# KiCad board ddr4-datacenter-tester.kicad_pcb (continued)
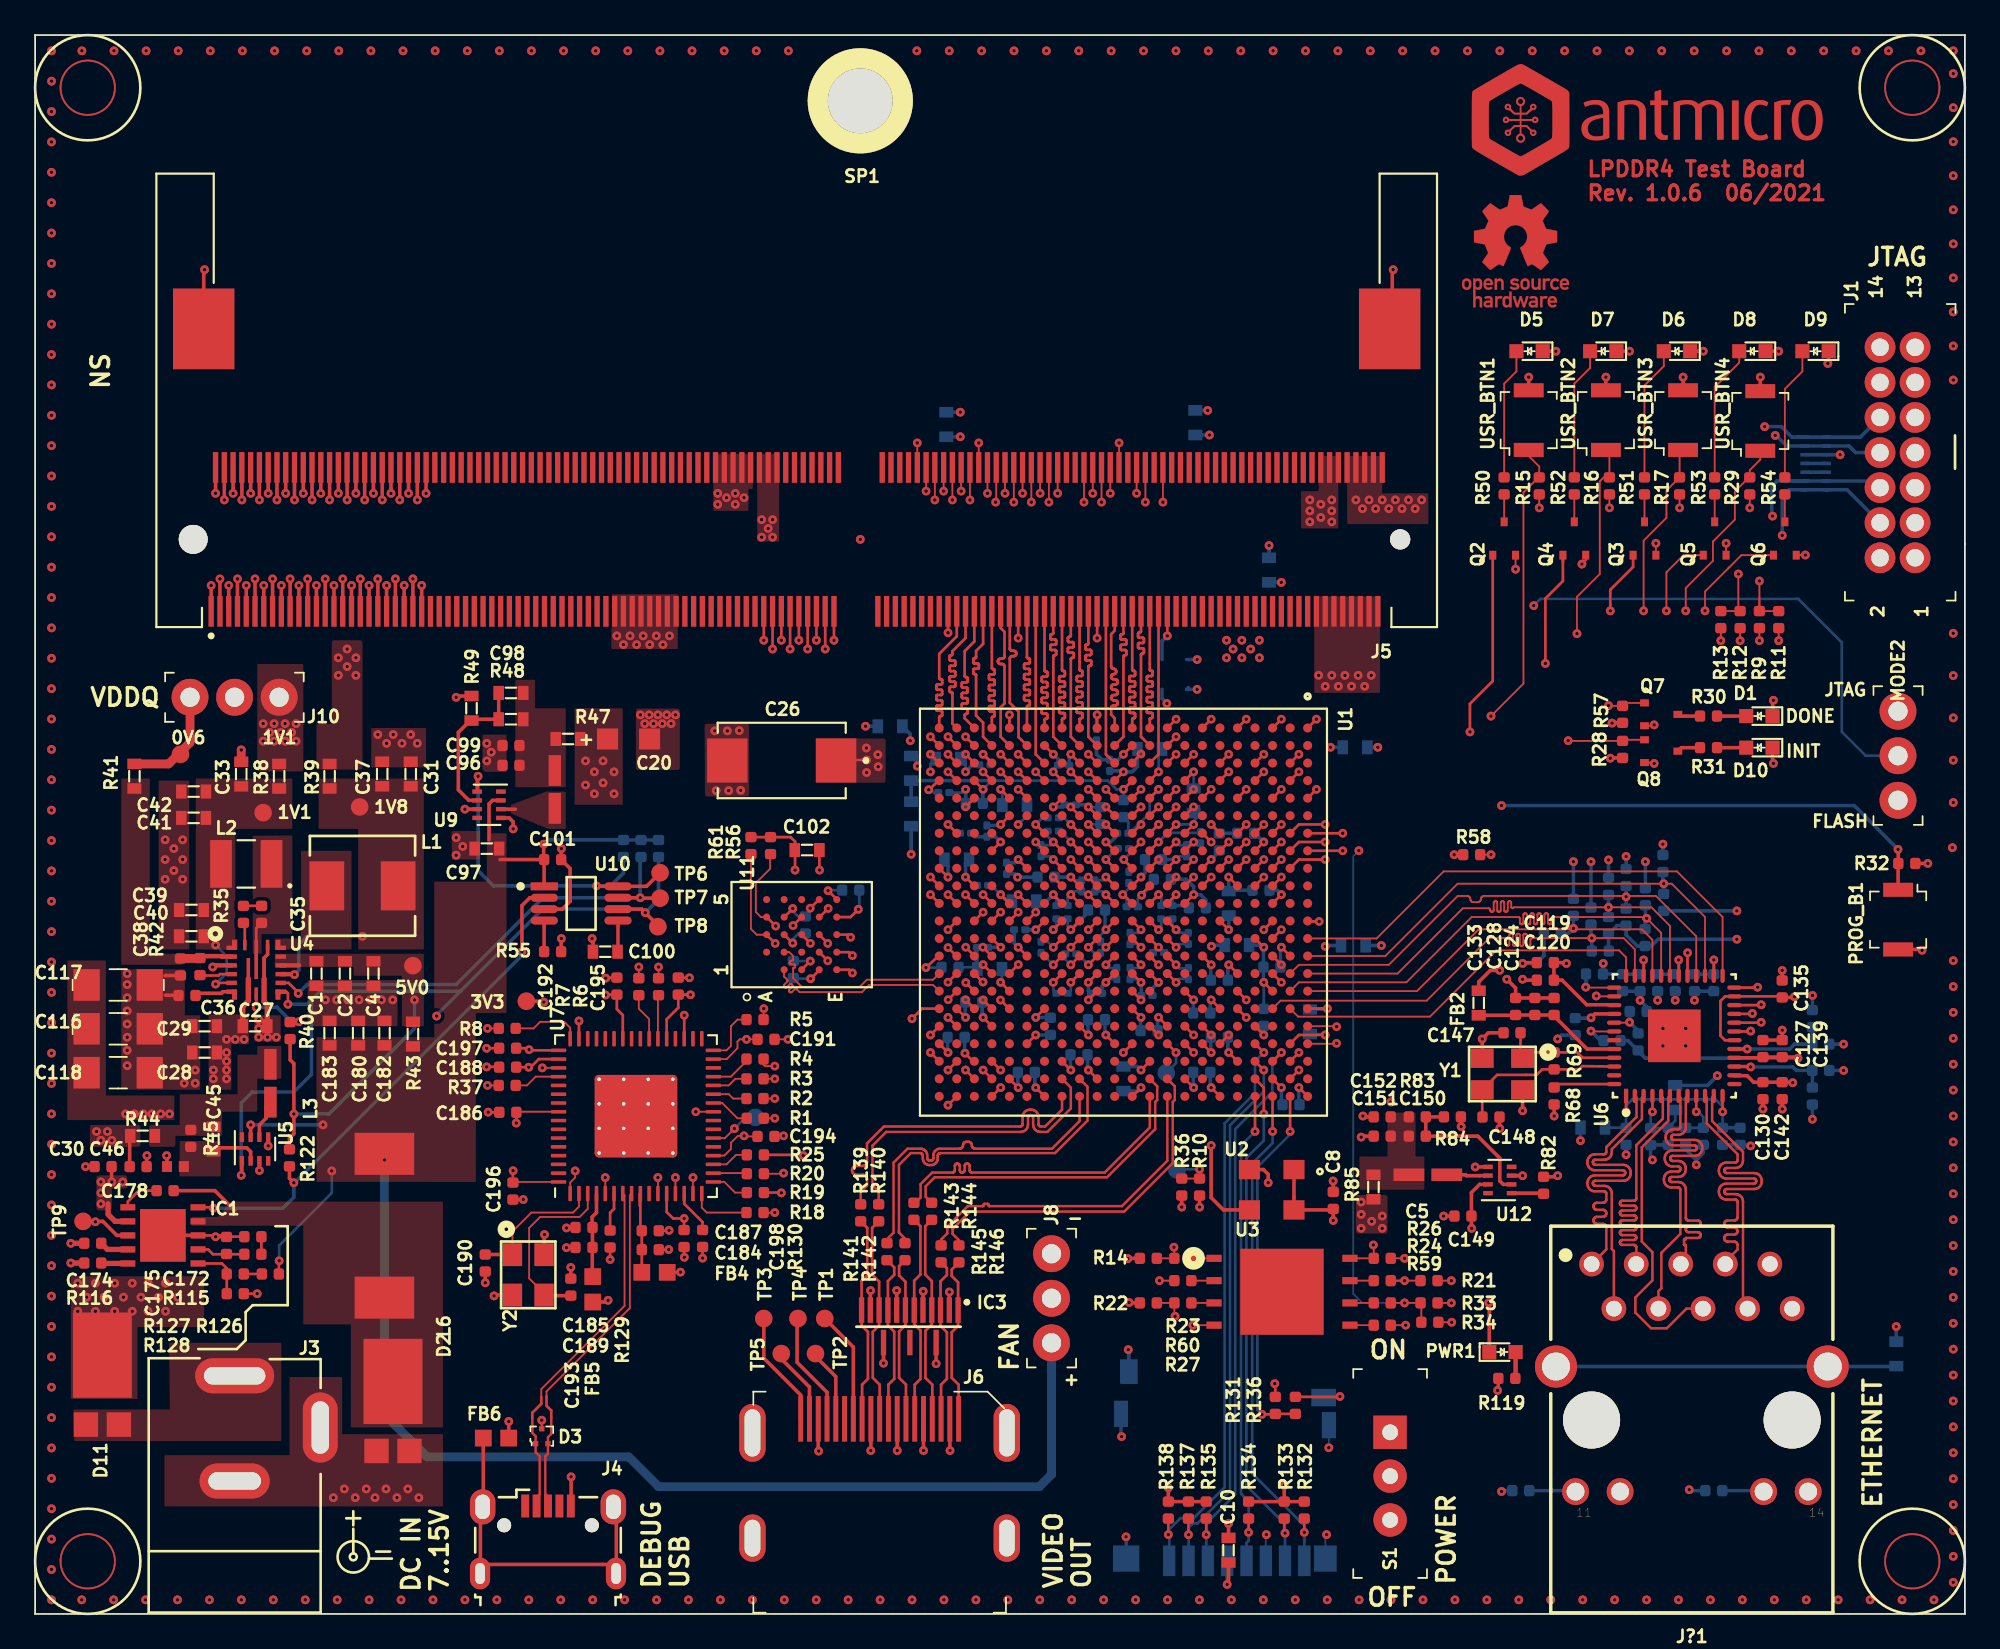
[diagram p0: board, top side]
## Nets (continued)
Net-(J5-Pad111): J5.111
Net-(J5-Pad112): J5.112
Net-(J5-Pad113): J5.113
Net-(J5-Pad114): J5.114
Net-(J5-Pad115): J5.115
Net-(J5-Pad117): J5.117
Net-(J5-Pad119): J5.119
Net-(J5-Pad121): J5.121
Net-(J5-Pad123): J5.123
Net-(J5-Pad125): J5.125
Net-(J5-Pad132): J5.132
Net-(J5-Pad134): J5.134
Net-(J5-Pad136): J5.136
Net-(J5-Pad138): J5.138
Net-(J5-Pad140): J5.140
Net-(J5-Pad142): J5.142
Net-(J5-Pad144): J5.144
Net-(J5-Pad145): J5.145
Net-(J5-Pad146): J5.146
Net-(J5-Pad147): J5.147
Net-(J5-Pad148): J5.148
Net-(J5-Pad149): J5.149
Net-(J5-Pad150): J5.150
Net-(J5-Pad151): J5.151
Net-(J5-Pad152): J5.152
Net-(J5-Pad153): J5.153
Net-(J5-Pad155): J5.155
Net-(J5-Pad157): J5.157
Net-(J5-Pad159): J5.159
Net-(J5-Pad188): J5.188
Net-(J5-Pad190): J5.190
Net-(J5-Pad202): J5.202
Net-(J5-Pad212): J5.212
Net-(J5-Pad213): J5.213
Net-(J5-Pad214): J5.214
Net-(J5-Pad215): J5.215
Net-(J5-Pad216): J5.216
Net-(J5-Pad217): J5.217
Net-(J5-Pad218): J5.218
Net-(J5-Pad219): J5.219
Net-(J5-Pad220): J5.220
Net-(J5-Pad221): J5.221
Net-(J5-Pad222): J5.222
Net-(J5-Pad223): J5.223
Net-(J5-Pad224): J5.224
Net-(J5-Pad225): J5.225
Net-(J5-Pad226): J5.226
Net-(J5-Pad227): J5.227
Net-(J5-Pad228): J5.228
Net-(J5-Pad229): J5.229
Net-(J5-Pad230): J5.230
Net-(J5-Pad231): J5.231
Net-(J5-Pad232): J5.232
Net-(J5-Pad233): J5.233
Net-(J5-Pad234): J5.234
Net-(J5-Pad235): J5.235
Net-(J5-Pad236): J5.236
Net-(J5-Pad237): J5.237
Net-(J5-Pad238): J5.238
Net-(J5-Pad239): J5.239
Net-(J5-Pad240): J5.240
Net-(J5-Pad241): J5.241
Net-(J5-Pad242): J5.242
Net-(J5-Pad243): J5.243
Net-(J5-Pad244): J5.244
Net-(J6-Pad13): J6.13 TP1.1
Net-(J6-Pad14): J6.14
Net-(J6-Pad15): J6.15 TP2.1
Net-(J6-Pad16): J6.16 TP4.1
Net-(J6-Pad18): J6.18 TP5.1
Net-(J6-Pad19): J6.19 TP3.1
Net-(J7-Pad9): J7.9 R136.2
Net-(J8-Pad2): J8.2
Net-(J?1-Pad9): J?1.9
Net-(J?1-Pad11): J?1.11 R62.1
Net-(J?1-Pad13): J?1.13 R67.1
Net-(L1-Pad1): L1.1 U4.15
Net-(L3-Pad1): L3.1 U5.6
Net-(L4-Pad1): L4.1 U9.6
Net-(L5-Pad1): L5.1 U12.6
Net-(PWR1-Pad2): PWR1.2 R119.1
Net-(Q2-Pad3): Q2.3 R50.2
Net-(Q3-Pad3): Q3.3 R51.2
Net-(Q4-Pad3): Q4.3 R52.2
Net-(Q5-Pad3): Q5.3 R53.2
Net-(Q6-Pad3): Q6.3 R54.2
Net-(Q7-Pad3): Q7.3 R30.2
Net-(Q8-Pad3): Q8.3 R31.2
Net-(R1-Pad1): R1.1 U7.26
Net-(R2-Pad1): R2.1 U7.27
Net-(R3-Pad1): R3.1 U7.28
Net-(R4-Pad1): R4.1 U7.29
Net-(R5-Pad1): R5.1 U7.32
Net-(R6-Pad1): R6.1 U7.38
Net-(R7-Pad1): R7.1 U7.39
Net-(R8-Pad1): R8.1 U7.48
Net-(R18-Pad1): R18.1 U7.16
Net-(R19-Pad1): R19.1 U7.17
Net-(R20-Pad1): R20.1 U7.18
Net-(R23-Pad1): R23.1 U3.1
Net-(R24-Pad1): R24.1 U3.6
Net-(R25-Pad1): R25.1 U7.19
Net-(R26-Pad1): R26.1 U3.7
Net-(R27-Pad1): R27.1 U3.3
Net-(R35-Pad1): R35.1 U4.18
Net-(R37-Pad1): R37.1 U7.52
Net-(R40-Pad1): R40.1 U4.8
Net-(R42-Pad1): R42.1 U4.4
Net-(R55-Pad1): R55.1 U10.4
Net-(R59-Pad1): R59.1 U3.5
Net-(R60-Pad1): R60.1 U3.2
Net-(R68-Pad2): R68.2 U6.48
Net-(R82-Pad1): R82.1 U12.1
Net-(R126-Pad2): R126.2 R127.1
Net-(R129-Pad2): R129.2 U7.6
Net-(R130-Pad2): R130.2 U7.14
Net-(S1-Pad1): S1.1
Net-(SP1-Pad1): SP1.1
Net-(U1-PadA2): U1.A2
Net-(U1-PadA3): U1.A3
Net-(U1-PadA4): U1.A4
Net-(U1-PadA6): U1.A6
Net-(U1-PadA9): U1.A9
Net-(U1-PadA10): U1.A10
Net-(U1-PadA11): U1.A11
Net-(U1-PadA20): U1.A20
Net-(U1-PadA21): U1.A21
Net-(U1-PadAA5): U1.AA5
Net-(U1-PadAA6): U1.AA6
Net-(U1-PadAA8): U1.AA8
Net-(U1-PadAA9): U1.AA9
Net-(U1-PadAA10): U1.AA10
Net-(U1-PadAA13): U1.AA13
Net-(U1-PadAA19): U1.AA19
Net-(U1-PadAA21): U1.AA21
Net-(U1-PadAB5): U1.AB5
Net-(U1-PadAB6): U1.AB6
Net-(U1-PadAB7): U1.AB7
Net-(U1-PadAB8): U1.AB8
Net-(U1-PadAB12): U1.AB12
Net-(U1-PadAB13): U1.AB13
Net-(U1-PadAB21): U1.AB21
Net-(U1-PadAB22): U1.AB22
Net-(U1-PadB1): U1.B1
Net-(U1-PadB2): U1.B2
Net-(U1-PadB5): U1.B5
Net-(U1-PadB6): U1.B6
Net-(U1-PadB10): U1.B10
Net-(U1-PadB11): U1.B11
Net-(U1-PadB12): U1.B12
Net-(U1-PadB13): U1.B13
Net-(U1-PadB18): U1.B18
Net-(U1-PadC2): U1.C2
Net-(U1-PadC3): U1.C3
Net-(U1-PadC4): U1.C4
Net-(U1-PadC6): U1.C6
Net-(U1-PadC10): U1.C10
Net-(U1-PadC13): U1.C13
Net-(U1-PadC18): U1.C18
Net-(U1-PadC19): U1.C19
Net-(U1-PadD1): U1.D1
Net-(U1-PadD2): U1.D2
Net-(U1-PadD5): U1.D5
Net-(U1-PadD6): U1.D6
Net-(U1-PadD10): U1.D10
Net-(U1-PadD11): U1.D11
Net-(U1-PadD12): U1.D12
Net-(U1-PadD14): U1.D14
Net-(U1-PadD15): U1.D15
Net-(U1-PadD16): U1.D16
Net-(U1-PadD17): U1.D17
Net-(U1-PadE2): U1.E2
Net-(U1-PadE3): U1.E3
Net-(U1-PadE4): U1.E4
Net-(U1-PadE6): U1.E6
Net-(U1-PadE11): U1.E11
Net-(U1-PadE12): U1.E12
Net-(U1-PadE13): U1.E13
Net-(U1-PadE14): U1.E14
Net-(U1-PadE18): U1.E18
Net-(U1-PadE19): U1.E19
Net-(U1-PadE21): U1.E21
Net-(U1-PadE22): U1.E22
Net-(U1-PadF1): U1.F1
Net-(U1-PadF2): U1.F2
Net-(U1-PadF5): U1.F5
Net-(U1-PadF6): U1.F6
Net-(U1-PadF10): U1.F10
Net-(U1-PadF11): U1.F11
Net-(U1-PadF13): U1.F13
Net-(U1-PadF14): U1.F14
Net-(U1-PadF15): U1.F15
Net-(U1-PadF16): U1.F16
Net-(U1-PadF18): U1.F18
Net-(U1-PadF20): U1.F20
Net-(U1-PadF21): U1.F21
Net-(U1-PadG2): U1.G2
Net-(U1-PadG3): U1.G3
Net-(U1-PadG4): U1.G4
Net-(U1-PadG6): U1.G6
Net-(U1-PadG8): U1.G8
Net-(U1-PadG10): U1.G10
Net-(U1-PadG11): U1.G11
Net-(U1-PadG12): U1.G12
Net-(U1-PadG13): U1.G13
Net-(U1-PadG15): U1.G15
Net-(U1-PadG16): U1.G16
Net-(U1-PadG17): U1.G17
Net-(U1-PadG20): U1.G20
Net-(U1-PadG21): U1.G21
Net-(U1-PadG22): U1.G22
Net-(U1-PadH1): U1.H1
Net-(U1-PadH2): U1.H2
Net-(U1-PadH8): U1.H8
Net-(U1-PadH9): U1.H9
Net-(U1-PadH10): U1.H10
Net-(U1-PadH12): U1.H12
Net-(U1-PadH13): U1.H13
Net-(U1-PadH14): U1.H14
Net-(U1-PadH15): U1.H15
Net-(U1-PadH17): U1.H17
Net-(U1-PadH20): U1.H20
Net-(U1-PadH22): U1.H22
Net-(U1-PadJ4): U1.J4
Net-(U1-PadJ16): U1.J16
Net-(U1-PadJ17): U1.J17
Net-(U1-PadJ20): U1.J20
Net-(U1-PadK16): U1.K16
Net-(U1-PadK17): U1.K17
Net-(U1-PadK19): U1.K19
Net-(U1-PadL18): U1.L18
Net-(U1-PadL20): U1.L20
Net-(U1-PadL21): U1.L21
Net-(U1-PadM16): U1.M16
Net-(U1-PadM17): U1.M17
Net-(U1-PadM18): U1.M18
Net-(U1-PadM20): U1.M20
Net-(U1-PadM21): U1.M21
Net-(U1-PadM22): U1.M22
Net-(U1-PadN17): U1.N17
Net-(U1-PadN18): U1.N18
Net-(U1-PadN19): U1.N19
Net-(U1-PadN20): U1.N20
Net-(U1-PadN22): U1.N22
Net-(U1-PadP5): U1.P5
Net-(U1-PadP16): U1.P16
Net-(U1-PadP17): U1.P17
Net-(U1-PadP19): U1.P19
Net-(U1-PadP20): U1.P20
Net-(U1-PadR3): U1.R3
Net-(U1-PadR6): U1.R6
Net-(U1-PadR7): U1.R7
Net-(U1-PadR16): U1.R16
Net-(U1-PadR17): U1.R17
Net-(U1-PadR18): U1.R18
Net-(U1-PadR19): U1.R19
Net-(U1-PadT5): U1.T5
Net-(U1-PadT6): U1.T6
Net-(U1-PadT8): U1.T8
Net-(U1-PadT9): U1.T9
Net-(U1-PadT10): U1.T10
Net-(U1-PadT11): U1.T11
Net-(U1-PadT13): U1.T13
Net-(U1-PadT14): U1.T14
Net-(U1-PadT15): U1.T15
Net-(U1-PadT16): U1.T16
Net-(U1-PadT18): U1.T18
Net-(U1-PadT19): U1.T19
Net-(U1-PadT20): U1.T20
Net-(U1-PadT21): U1.T21
Net-(U1-PadU6): U1.U6
Net-(U1-PadU7): U1.U7
Net-(U1-PadU8): U1.U8
Net-(U1-PadU10): U1.U10
Net-(U1-PadU11): U1.U11
Net-(U1-PadU13): U1.U13
Net-(U1-PadU15): U1.U15
Net-(U1-PadU16): U1.U16
Net-(U1-PadU17): U1.U17
Net-(U1-PadU18): U1.U18
Net-(U1-PadU20): U1.U20
Net-(U1-PadU21): U1.U21
Net-(U1-PadU22): U1.U22
Net-(U1-PadV7): U1.V7
Net-(U1-PadV8): U1.V8
Net-(U1-PadV9): U1.V9
Net-(U1-PadV10): U1.V10
Net-(U1-PadV13): U1.V13
Net-(U1-PadV14): U1.V14
Net-(U1-PadV18): U1.V18
Net-(U1-PadV19): U1.V19
Net-(U1-PadV20): U1.V20
Net-(U1-PadV22): U1.V22
Net-(U1-PadW5): U1.W5
Net-(U1-PadW6): U1.W6
Net-(U1-PadW7): U1.W7
Net-(U1-PadW9): U1.W9
Net-(U1-PadW10): U1.W10
Net-(U1-PadW16): U1.W16
Net-(U1-PadW19): U1.W19
Net-(U1-PadY6): U1.Y6
Net-(U1-PadY7): U1.Y7
Net-(U1-PadY8): U1.Y8
Net-(U1-PadY9): U1.Y9
Net-(U1-PadY13): U1.Y13
Net-(U1-PadY18): U1.Y18
Net-(U1-PadY19): U1.Y19
Net-(U1-PadY22): U1.Y22
Net-(U3-Pad9): U3.9
Net-(U5-Pad8): U5.8
Net-(U6-Pad13): U6.13
Net-(U6-Pad43): U6.43
Net-(U6-Pad47): U6.47
Net-(U7-Pad10): U7.10
Net-(U7-Pad21): U7.21
Net-(U7-Pad22): U7.22 U8.1
Net-(U7-Pad23): U7.23
Net-(U7-Pad24): U7.24
Net-(U7-Pad30): U7.30
Net-(U7-Pad33): U7.33
Net-(U7-Pad34): U7.34
Net-(U7-Pad36): U7.36
Net-(U7-Pad40): U7.40
Net-(U7-Pad41): U7.41
Net-(U7-Pad43): U7.43
Net-(U7-Pad44): U7.44
Net-(U7-Pad45): U7.45
Net-(U7-Pad46): U7.46
Net-(U7-Pad53): U7.53
Net-(U7-Pad54): U7.54
Net-(U7-Pad55): U7.55
Net-(U7-Pad57): U7.57
Net-(U7-Pad58): U7.58
Net-(U7-Pad59): U7.59
Net-(U7-Pad60): U7.60
Net-(U7-Pad61): U7.61
Net-(U7-Pad62): U7.62
Net-(U7-Pad63): U7.63
Net-(U9-Pad8): U9.8
Net-(U11-PadA2): U11.A2
Net-(U11-PadA5): U11.A5
Net-(U11-PadB5): U11.B5
Net-(U11-PadC2): U11.C2
Net-(U11-PadC5): U11.C5

Pads without a net: U5 4; U9 4; U12 4

## Via types
v1: diameter 3.2, hole 3, Top to Bottom, 4 vias
v2: diameter 0.5, hole 0.2, Top to GND1, 74 vias
v3: diameter 0.5, hole 0.2, Top to Bottom, 904 vias
v4: diameter 0.5, hole 0.2, Top to In2.Cu, 116 vias

## Routing (per net, layer and track width the routed paths; a pad name or vN(x,y) marks a point on that pad's centre or on a via; arc(x,y) is an arc through that point)
1V0_SYS: length 31.4
  Top w0.15: U1.R13 v3(58.04,38) ; U1.N13 v3(60.04,38) ; U1.L13 v3(63.04,38) ; U1.J9 v3(65.04,43) ; U1.J11 v3(65.04,41) ; U1.K8 v3(64.04,44) ; U1.L9 62.04,43 ; U1.M8 v3(61.04,44) ; U1.N9 v3(60.04,43) ; U1.M14 v3(61.04,37) ; U1.P14 v3(59.04,37) ; U1.N15 v3(60.04,36) ; U1.R15 v3(58.04,36) ; U1.J15 v3(65.04,36) ; U1.L15 v3(63.04,36) ; U1.J13 v3(65.04,38) ; U1.K14 v3(64.04,37) ; v3(47.4,48.67) 45.58,48.67
  Bottom w0.15: C69.1 58.72,37.32 v3(59.04,37) ; 65.84,36.2 65.24,36.2 v3(65.04,36) ; v3(65.04,38) 65.22,38.18 C59.1 ; v3(60.04,38) 60.36,37.68 C52.1 ; v3(64.04,37) 63.72,37.32 C62.1 ; 66.54,44.57 66.34,44.57 66.29,44.53 64.56,44.53 v3(64.04,44) ; v3(65.04,43) 65.22,43.18 65.74,43.18 ; v3(58.04,38) 57.72,38.32 C50.1 ; C58.1 64.83,40.8 v3(65.04,41) ; C54.1 62.86,38.18 v3(63.04,38) ; C65.1 62.36,43.3 v3(62.06,43) 62.34,42.72 C63.1 ; C70.1 58.04,35.56 v3(58.04,36) ; v3(63.04,36) 62.86,36.18 C64.1 ; C66.1 61.22,36.82 v3(61.04,37)
  Bottom w0.2: v3(65.04,43) 65.03,43 C17.1 ; v3(63.04,36) 63.06,35.98 C68.1 ; v3(60.04,36) 60.04,35.52 C77.1 ; 61.68,44.38 61.31,44 v3(61.04,44) ; 64,36.97 v3(64.04,37) ; C58.1 64.83,40.38 65.76,40.38
  vias: v3(31.38,48.62) v3(31.38,47.25) v3(31.88,48) v3(31.88,46.75) v3(32.38,48.62) v3(32.38,47.38) v3(33,48) v3(33,46.75) v3(47.38,49.36) v3(47.4,47.96) v3(48.04,48.98) v3(48.06,48.29)
1V1_SYS:
  vias: v3(13,50.75) v3(13,49.75) v3(13.38,50.25) v3(13.62,50.75) v3(13.62,49.75) v3(14,50.25) v3(14.25,50.75) v3(14.25,49.75) v3(14.62,50.25) v3(14.88,50.75) v3(14.88,49.75) v3(33.16,55.75) v3(33.54,55.25) v3(33.91,55.75) v3(34.29,55.25) v3(34.66,55.75) v3(35.04,55.25) v3(35.41,55.75) v3(35.79,55.25) v3(36.16,55.75) v3(73.16,53.5) v3(73.54,52.88) v3(73.91,53.5) v3(74.29,52.88) v3(74.66,53.5) v3(75.04,52.88) v3(75.41,53.5) v3(75.79,52.88) v3(76.16,53.5)
1V8_FT: length 11.9
  Top w0.1: 29.77,24.63 27.54,24.63 27.42,24.75 ; 27.54,32.13 C197.1
  Top w0.15: v3(37.36,35.29) 37.35,35.3 C195.1 36.66,34.56 36,33.9 U7.37 ; C197.1 28.07,32.25 v3(28.16,32.16) 28.19,32.13 29.77,32.13 ; C196.1 27.24,25.25 v3(27.25,25.26) ; 36,23.9 36,22.91 36.37,22.54 v3(37,22.54) 36.99,22.54 C198.1
1V8_SYS: length 21.7
  Top w0.15: U1.K12 v3(64.04,39) ; U1.K10 63.04,41 ; U1.M10 v3(61.04,42) ; U1.R9 v3(58.04,43) ; U1.P8 v3(59.04,44) ; U1.P10 v3(59.04,42) ; U1.R11 v3(58.04,41) ; U1.P7 v3(59.04,45) ; U1.P12 v3(59.04,39)
  Bottom w0.15: 58.36,44.7 59.04,44.02 v3(59.04,44) ; v3(59.04,39) 58.86,39.18 58.86,39.65 ; v3(58.04,41) 58.22,40.82 C9.1 ; C47.1 57.86,43.18 v3(58.04,43) ; 58.36,45.48 58.56,45.48 v3(59.04,45) ; C48.1 64.19,39.16 v3(64.04,39) ; C55.1 60.86,41.82 v3(61.04,42) ; v3(63.07,40.97) 62.86,40.75 C56.1 ; v3(59.04,42) 59.22,41.82 C51.1
  Bottom w0.2: 65.64,54.4 v3(66.24,54.4) ; C110.1 v3(73.84,49.4) ; v3(63.07,40.97) 63.76,41.66 C16.1 ; C22.1 57.66,40.62 v3(58.04,41) ; v3(67.05,38.06) 67.12,38.12 C25.1 ; v3(73.54,38.05) 73.59,38.1 C113.1 ; v3(59.04,39) 60.01,39.98 C7.1 ; C19.1 59.03,42 v3(59.04,42) ; C111.1 v3(71.04,58.8)
  vias: v3(17.29,54.5) v3(17.29,53.5) v3(17.79,55) v3(17.79,54) v3(18.29,54.5) v3(18.29,53.5) v3(38.91,63.88) v3(38.91,63.25) v3(39.41,63.63) v3(39.91,63.88) v3(39.91,63.25) v3(40.41,63.63) v3(67.91,55.5) v3(67.91,54.5) v3(68.29,55) v3(68.79,55.5) v3(68.79,54.5) v3(69.29,55) v3(69.79,55.5) v3(69.79,54.5) v3(75.29,63.5) v3(75.66,63) v3(76.04,63.5) v3(76.41,63) v3(76.79,63.5) v3(77.16,63) v3(77.54,63.5) v3(77.91,63) v3(78.29,63.5) v3(78.66,63) v3(79.04,63.5)
3V3_SYS: length 155.2
  Top w0.1: 27.42,28.64 27.43,28.63 29.77,28.63 ; R15.1 v3(85.74,63.05) ; R16.1 v3(89.74,63.05) ; R17.1 v3(93.74,63.05) ; R29.1 v3(97.74,63.05) ; R9.2 v3(98.29,55.48) ; 38.6,31.63 39.43,31.63 40.04,32.25 40.04,32.63 40.16,32.75 v3(40.55,32.75) C191.1 ; R21.1 v3(80.73,19) ; R33.1 v3(80.73,17.73) ; R58.1 v3(82.99,43.28) ; 38.6,26.13 39.29,26.13 39.66,26.5 39.66,26.86 40.06,27.25 v3(40.41,27.25) 40.45,27.22 C194.1 ; v3(76.28,21.03) 76.3,21.01 C5.1 U3.8 ; R12.2 v3(97.19,55.48)
  Top w0.15: U1.N21 v3(60.04,31) ; U1.AA17 v3(53.04,34) ; U1.T22 v3(57.04,30) ; U1.F22 v3(67.04,30) ; U1.C21 v3(71.04,30) ; U1.B14 v3(71.04,38) ; U1.P18 v3(60.04,33) ; U1.V16 v3(55.04,36) ; U1.U19 v3(57.04,33) ; 53.5,31.46 v3(53,31.96) ; U1.G19 v3(67.04,32) ; U1.L17 v3(63.04,34) ; U1.K20 v3(63.04,31) ; U1.J7 v3(65.04,45) ; U1.N7 v3(60.04,45) ; U1.D8 v3(70.04,44) ; U1.G9 v3(67.04,43) ; U1.F12 v3(68.04,39) ; U1.E15 v3(68.04,37) ; U1.H16 v3(66.04,35) ; U1.D18 v3(70.04,33) ; 44.72,36.72 44.22,36.22 ; 42.68,39.7 43.18,40.2 ; U1.C11 v3(71.04,41) ; U6.34 v3(91.69,37.28) ; 41.01,44.28 43.06,44.28 43.32,44.03 v3(43.32,42.4) ; FB4.1 36.78,19.47 v3(36.79,19.48) ; R131.1 70.69,13.1 v3(70.66,13.13) ; R130.1 v3(38.05,20.28) ; 29.77,31.63 28.71,31.63 28.25,31.16 v3(28.14,31.16) 28.13,31.17 C188.1 ; v3(27.43,27.98) 27.43,27.99 C186.1 ; v3(46.92,40.17) 46.48,39.72 U11.E4 ; v3(32.52,35.28) 32.54,35.3 C192.1 33.16,34.48 33.5,34.14 U7.42 ; U1.AB14 51.49,37.5 v3(50.78,36.84) ; U1.A17 v3(73.66,34.5) U1.A17
  Top w0.2: 48.36,15.5 48.36,14.29 ; D8.1 v3(99.39,71.98) ; D6.1 v3(95.09,71.98) ; D7.1 v3(90.89,71.98) ; R32.1 v3(107.89,42.78) ; v3(99.09,48.48) 99.04,48.53 D10.1 ; C10.1 68.03,1.76 v3(67.95,1.68) ; v3(99.09,52.08) 99.04,52.03 D1.1 ; 71.2,6.4 69.17,6.4 ; 71.2,6.4 v3(71.2,7.31) ; 71.2,6.4 72.34,6.4 ; R10.1 v3(66.38,23.19) ; R44.1 5.39,27.22 C46.1 ; R57.1 89.9,50.79 v3(89.89,50.78) ; v3(62.29,20.25) 62.31,20.27 R14.2 ; v3(51.36,14.27) 51.36,14.27 IC3.15 ; v3(32.66,17.88) 32.56,17.78 31.91,17.78 ; U2.1 U2.4 73.94,23.03 C8.1 v3(74,22.43) ; D5.1 v3(86.69,71.98) ; R22.1 62.39,17.73 v3(62.36,17.75) ; v3(88.69,33.98) 88.91,34.2 U6.40 ; 3V3.1 28.95,34.93 v3(29,34.88) ; D9.1 102.24,71.33 v3(102.19,71.28) ; PWR1.1 82.89,17.72 v3(82.86,17.74) ; R28.1 89.8,48.79 v3(89.79,48.78) ; v3(64.6,7.19) 64.6,6.4 66.76,6.4 ; U6.16 98.45,31.7 C127.1 C139.1 100.43,31.74 v3(100.49,31.68)
  In5.Cu w0.2: 64.29,44.5 U1.J7 v3(65.04,45) ; 64.29,44.5 63.04,44.5 62.54,45 v3(60.04,45) ; 64.29,44.5 68.91,44.5 69.41,44 v3(70.04,44)
  Bottom w0.15: v3(50.78,36.84) 51.67,36.84 ; C82.1 v3(70.04,33) ; C103.1 46.98,40.22 v3(46.92,40.17) ; 43.2,40.19 v3(43.18,40.21) 43.18,40.07 43.49,39.76 C105.1 ; v3(44.2,36.21) 43.31,36.21 ; v3(65.04,45) 65.84,45 66.34,45.5 66.34,46.05 ; 44.2,36.2 44.2,36.2 ; 60.84,45.02 60.05,45.02 v3(60.04,45) ; C6.1 73.61,34.45 v3(73.66,34.5) ; v3(55.04,36) 55.11,36.08 C18.1
  Bottom w0.2: v3(53,31.96) 52.99,31.98 C92.1 ; v3(94.29,7.08) 94.34,7.03 R67.2 ; v3(60.04,33) 60.01,33.02 C87.1 ; C81.1 70.99,37.95 v3(71.04,38) ; v3(70.04,44) 69.54,44.5 C79.1 ; R81.2 v3(103.09,32.48) ; R75.2 v3(88.69,42.88) ; v3(71.04,30) 71.04,28.98 71.09,28.93 ; v3(53.04,34) 53.01,34.02 C90.1 ; R79.2 90.8,32.68 91.59,31.89 91.59,31.88 91.79,31.68 v3(100.49,31.68) ; v3(63.04,31) 62.84,31.2 C15.1 ; R62.2 83.63,7.03 v3(83.59,6.98) ; FB1.1 v3(88.09,26.98) ; v3(67.04,32) 67.01,32.02 C85.1 ; C136.1 88.67,33.96 v3(88.69,33.98) ; v3(63.04,34) 63.01,33.98 C86.1 ; v3(66.04,35) 66.01,34.98 C84.1 ; R73.2 v3(92.79,43.88) ; R70.2 v3(91.79,42.88) ; J7.4 v3(67.95,1.68) ; v3(68.04,39) C3.1 ; v3(57.04,33) 57.86,33 C88.1 ; C80.1 70.79,41.25 v3(71.04,41) ; C83.1 67.99,36.95 v3(68.04,37) ; v3(57.04,30) 56.99,30.05 C93.1 ; v3(67.04,43) 67.5,43.47 C78.1 ; C89.1 59.99,31.05 v3(60.04,31) ; v3(91.69,37.28) 91.69,36.66 C131.1 C123.1 90.47,36.48 R78.2 89.37,37.06 v3(89.39,37.08) ; R80.2 v3(103.09,30.98) ; v3(67.04,30) 66.99,30.05 C94.1 ; R71.2 v3(89.69,42.98) ; R72.2 v3(90.69,43.18) ; R74.2 v3(87.69,42.88)
  vias: v3(3.5,27.5) v3(3.75,27) v3(4.12,27.5) v3(4.38,27) v3(48.36,14.29)
/Ethernet/AVDDH: length 12.3
  Top w0.15: U6.12 v3(96.19,28.63) ; U6.1 v3(90.69,28.63)
  Bottom w0.15: C137.1 v3(96.19,28.63) 96.19,28.93 95.79,29.33 91.03,29.33 90.69,28.98 v3(90.69,28.63) C132.1 90.67,27.73 FB1.2
  Bottom w0.2: C137.1 C140.1
/Ethernet/AVDDL: length 8.1
  Top w0.15: U6.9 v3(94.69,28.63) ; U6.4 v3(92.19,28.63)
  Bottom w0.15: FB3.1 93.49,28.11 C129.1 ; v3(94.69,28.63) 94.79,28.63 95.09,28.33 C125.1 C134.1 C129.1 ; C129.1 93.07,27.7 C121.1 92.09,28.53 v3(92.19,28.63)
/Ethernet/AVDDL_PLL: length 8.6
  Top w0.2: U6.44 88.46,32.2 86.59,34.08 C124.1 C128.1 C133.1 84.37,34.13 FB2.1
/Supply/VCC_AUX_EN: length 27.8
  Top w0.15: U4.11 14.45,35.97 15,35.42 v3(15,35.38)
  Top w0.2: TP7.1 34.52,40.8 v3(34.49,40.83) U10.7
  Bottom w0.2: v3(15,35.38) 15.5,35.88 24,35.88 28.95,40.83 v3(34.49,40.83) 34.49,43.05 34.59,43.14
/Supply/VCC_INT_EN: length 20.1
  Top w0.2: TP6.1 34.85,41.47 U10.8 32.03,41.47 v3(32,41.5) ; v3(25.25,47.75) 25.2,47.7 U9.1
  Bottom w0.2: R86.2 33.54,42.23 32.81,41.5 v3(32,41.5) 26.12,41.5 25.25,42.38 v3(25.25,47.75)
/Supply/VCC_IO_EN: length 137.1
  Top w0.15: U4.10 14.32,35.47 14.41,35.38 v3(14.41,34.75)
  Top w0.2: U10.6 34.57,40.17 v3(34.78,39.97) 35.5,39.25 TP8.1 ; U4.10 13.84,35.31 U4.10 ; v3(11.75,25) 11.79,25.04 U5.1 ; v3(86.79,24.98) 86.73,24.92 R82.2
  In2.Cu w0.2: v3(86.79,24.98) 83.69,21.88 83.69,16.58 81.59,14.48 64.39,14.48 57.41,7.5 41.06,7.5 22.89,25.68 v3(22.89,34.08)
  Bottom w0.2: 15.75,35 15.5,34.75 14.41,34.75 v3(14.41,34.75) ; 15.75,35 16.25,35.5 24.25,35.5 ; 15.75,35 15.75,30.75 14.75,29.75 12.38,29.75 11.75,29.12 v3(11.75,25) ; R88.2 35.54,40.73 v3(34.78,39.97) 34.57,40.18 28.93,40.18 24.25,35.5 ; 24.25,35.5 22.89,34.14 v3(22.89,34.08)
GND: length 403.9
  Top w0.1: 53.79,65.4 v2(53.79,66.75) ; 50.29,65.4 v2(50.29,66.75) ; 61.79,65.4 v2(61.79,66.75) ; 29.67,31.13 v3(28.91,31.13) ; Q2.2 v3(84.39,59.55) ; v3(30.79,25.25) 30.79,24.88 30.5,24.59 U7.1 ; C5.2 v3(78.06,20.27) ; 64.29,65.23 v4(64.29,63.38) ; Q3.2 v3(92.39,61.03) ; Q7.2 92.24,50.63 v3(92.29,50.68) ; v3(92.29,48.48) 92.24,48.53 Q8.2 ; U7.5 v3(32.5,24.88) ; v3(36.5,24.87) U7.13 ; v2(42.66,27.25) 42.63,27.22 C194.2 ; R34.2 v3(80.75,16.62) ; 38.6,28.63 v2(37.66,28.63) ; U7.11 v3(35.5,24.88) ; 57.79,65.23 v4(57.79,63.38) ; U3.4 v3(65.99,16.46) ; R11.2 v3(99.39,55.48) ; 88.39,60.41 88.42,60.38 88.42,60.09 v3(88.17,59.84) ; U7.15 v3(37.5,24.88) ; Q5.2 v3(96.39,61.03) ; Q6.2 100.9,60.35 v3(100.9,60.36) ; R13.2 v3(96.09,55.48) ; C191.2 v2(42.91,32.75)
  Top w0.13: D3.3 v3(28.88,11.04)
  Top w0.15: 56.04,57.1 v2(56.04,55.63) ; U1.Y5 v2(53.04,46) ; U1.W8 v3(55.04,44) ; 26.45,31.19 25.74,31.19 ; 60.54,57.1 v2(60.54,55.63) ; U1.AA22 v3(52.04,29) ; U1.V21 v3(56.04,30) ; U1.L22 v3(63.04,30) ; U1.AB19 v3(52.04,32) ; U1.AB9 v3(52.04,42) ; U1.AA12 v2(52.04,39) ; U1.H21 v3(66.04,30) ; U1.A22 v3(72.04,30) ; U1.AA2 v2(52.04,50) ; U1.J3 v2(65.04,49) ; U1.J2 v2(65.04,50) ; U1.J1 v2(65.04,51) ; U1.G1 v2(67.04,51) ; U1.E1 v2(69.04,51) ; U1.C1 v2(71.04,51) ; U1.A1 v2(73.04,51) ; U1.B3 v2(72.04,49) ; U1.B4 v2(72.04,48) ; U1.A5 v2(73.04,47) ; U1.M12 v3(61.04,39) ; U1.K11 v3(64.04,41) ; U1.L11 62.04,41 ; U1.L12 v3(63.04,39) ; U1.M11 v3(61.04,41) ; U1.C7 v2(71.04,45) ; U1.C5 v2(71.04,47) ; U1.D7 v2(70.04,45) ; U1.E7 v2(69.04,45) ; U1.E5 v2(69.04,47) ; U1.E10 v3(68.04,42) ; U1.F7 v3(67.04,45) ; U1.G5 v2(67.04,47) ; U1.H5 v2(66.04,47) ; U1.H11 v3(66.04,41) ; U1.H3 v2(66.04,49) ; U1.H4 v3(66.04,48) ; U1.J8 v3(65.04,44) ; U1.J10 v2(65.04,42) ; U1.K9 v2(64.04,43) ; U1.K5 v3(64.04,47) ; U1.L8 v2(63.04,44) ; U1.L10 v3(63.04,42) ; U1.T7 v3(57.04,45) ; U1.P3 v3(59.04,49) ; U1.V11 v3(55.04,41) ; U1.P11 v3(59.04,41) ; U1.P9 v2(59.04,43) ; U1.M9 v3(61.04,43) ; U1.R10 v2(58.04,42) ; U1.R8 v3(58.04,44) ; U1.N11 v2(60.04,41) ; U1.N8 v2(60.04,44) ; U1.N6 v3(60.04,46) ; U1.N10 v2(60.04,42) ; U1.U4 v2(56.04,48) ; U1.N16 v2(60.04,35) ; U1.N12 v3(60.04,39) ; U1.P15 v3(59.04,36) ; U1.R14 v3(58.04,37) ; U1.R12 v3(58.04,39) ; U1.R20 v3(59.04,31) ; U1.N14 v3(60.04,37) ; U1.M13 v2(61.04,38) ; U1.M15 v3(61.04,36) ; U1.P13 v2(59.04,38) ; U1.M19 v3(61.04,33) ; U1.U14 v3(56.04,38) ; U1.W18 v3(54.04,34) ; U1.J12 v3(65.04,39) ; U1.J14 v3(65.04,37) ; U1.L14 v3(63.04,37) ; U1.J18 v3(64.04,34) ; U1.E20 v3(68.04,32) ; U1.K15 v3(64.04,36) ; U1.G14 v3(67.04,37) ; U1.K13 v2(64.04,38) ; U1.F17 v3(67.04,35) ; U1.C16 v3(70.04,36) ; U1.F3 v2(68.04,49) ; U1.F4 v3(68.04,48) ; U1.D3 v2(70.04,49) ; U1.D4 v2(70.04,48) ; U1.B9 72.04,43 v2(73.54,43) ; v2(73.54,45) 72.04,45 U1.B7 ; U1.A7 v2(74.54,44.5) ; v3(73.54,33) 72.04,33 U1.B19 ; 42.68,38.74 43.18,38.24 ; 54.03,36.01 53.53,36.51 ; 43.67,36.7 44.17,37.2 ; 45.71,40.72 45.21,41.22 ; U1.D13 v3(70.04,38) ; U1.L2 v3(62.04,49) ; C175.2 10.3,21.49 v3(10.29,21.5) ; C175.2 10.82,21.58 IC1.8 ; C175.2 10.93,21.5 C172.2 ; R128.2 v3(12.66,18.25) ; v3(32.53,36.24) 32.56,36.27 C192.2 ; v3(94.19,37.69) 94.19,37.68 U6.29 ; U1.T17 v3(57.04,34) ; v2(73.19,39.47) 72.57,39.47 U1.A12 ; v3(37.3,36.26) 37.29,36.27 C195.2 ; v3(25.83,28.6) 25.84,28.59 C186.2 ; C198.2 36.99,20.35 v3(37.01,20.33) ; U7.35 v3(37,34.13) ; C197.2 25.74,32.25 v3(25.74,32.24) ; v2(55.54,51.25) U1.V1 ; R129.1 v3(32.78,20.2) ; J5.211 v3(64.54,55.75) ; v3(44.71,42.4) 44.7,42.41 44.7,43.54 ; C184.2 36.11,20.76 v3(36.12,20.77) ; v3(36.14,21.86) 36.12,21.84 C187.2 ; C196.2 27.82,23.62 v3(27.83,23.62) ; 52.04,57.1 v2(52.04,55.93) ; U7.47 v3(31,33.8)
  Top w0.2: J5.49 v3(22.04,58.63) ; J5.45 v3(21.04,58.63) ; J5.41 v3(20.04,58.63) ; J5.37 v3(19.04,58.63) ; J5.33 v3(18.04,58.63) ; J5.29 v2(17.04,58.63) ; J5.25 v2(16.04,58.63) ; J5.21 v2(15.04,58.63) ; J5.17 v2(14.04,58.63) ; J5.13 v2(13.04,58.63) ; J5.9 v2(12.04,58.63) ; J5.5 v2(11.04,58.63) ; J5.47 v3(21.54,59) ; J5.43 v3(20.54,59) ; J5.39 v3(19.54,59) ; J5.35 v3(18.54,59) ; J5.31 v2(17.54,59) ; J5.27 v2(16.54,59) ; J5.23 v2(15.54,59) ; J5.19 v2(14.54,59) ; J5.15 v2(13.54,59) ; J5.11 v2(12.54,59) ; J5.7 v2(11.54,59) ; J5.34 v3(18.29,63.88) ; J5.46 v3(21.29,63.88) ; J5.22 v3(15.29,63.88) ; J5.2 v3(10.29,63.88) ; J5.24 v3(15.79,63.5) ; J5.10 v3(12.29,63.88) ; J5.18 v3(14.29,63.88) ; J5.14 v3(13.29,63.88) ; J5.32 v3(17.79,63.5) ; J5.48 v3(21.79,63.5) ; J5.38 v3(19.29,63.88) ; J5.50 v3(22.29,63.88) ; J5.42 v3(20.29,63.88) ; J5.30 v3(17.29,63.88) ; J5.6 v3(11.29,63.88) ; J5.26 v3(16.29,63.88) ; J5.44 v3(20.79,63.5) ; J5.36 v3(18.79,63.5) ; J5.40 v3(19.79,63.5) ; J5.20 v3(14.79,63.5) ; J5.28 v3(16.79,63.5) ; J5.16 v3(13.79,63.5) ; J5.8 v3(11.79,63.5) ; J5.4 v3(10.79,63.5) ; J5.12 v3(12.79,63.5) ; 77.36,73.25 77.36,76.58 ; 8.04,35.27 7.43,35.27 ; USR_BTN2.2 v3(89.54,70.5) ; USR_BTN3.2 v3(93.94,70.5) ; 98.34,69.75 v3(98.34,70.5) ; USR_BTN1.2 v3(85.14,70.5) ; v3(30.29,20.88) 30.3,20.89 C189.2 ; v3(84.79,24.98) 84.78,24.98 U12.3 ; v3(50.64,9.31) 50.64,9.31 J6.5 ; v3(83.49,27.68) 83.47,27.69 C148.2 ; C152.2 75.73,28.33 v3(75.69,28.38) ; Y2.4 29.01,21.6 v3(29.04,21.63) ; v3(73.99,24.68) 74,24.67 C8.2 ; 7.41,36.38 7.43,36.39 8.04,36.39 ; C130.2 v3(98.49,28.78) ; C149.2 v3(80.29,22.68) ; Y1.4 v3(84.79,28.68) ; U10.3 30.05,40.17 30.5,40.62 30.5,42.48 C101.2 29.99,43.61 v3(30,43.62) ; J6.8 49.14,9.31 v3(49.14,9.31) ; v3(83.36,12.74) 83.4,12.78 R119.2 ; v3(49.11,18.43) 49.11,18.43 IC3.8 ; v3(26.16,18.13) 26.21,18.18 Y2.2 ; 77.26,29.2 v3(77.29,29.18) ; v3(9.66,76.63) 9.61,76.58 J5.S1 ; v3(44.66,9.28) 44.64,9.3 J6.17 ; U4.9 13.05,37.4 13.25,37.6 U4.16 ; v3(83.89,36.18) 84.39,35.68 C133.2 C128.2 C124.2 ; R49.2 24.07,52.33 v3(24,52.25) ; C142.2 v3(99.59,28.78) ; C30.2 v3(2.88,25.5) ; v3(84.79,37.08) 84.83,37.13 C119.2 ; IC1.8 IC1.11 ; v3(99.59,33.28) C139.2 C127.2 ; IC3.5 50.61,18.38 v3(50.62,18.39) ; v3(30,38.5) 29.99,38.48 R55.2 ; C147.2 82.84,33.13 v3(82.49,32.78) Y1.2 82.49,31.48 ; v3(107.56,37.83) 107.51,37.88 PROG_B1.2 ; C185.2 30.31,22.03 v3(30.29,22) ; IC3.11 47.61,18.42 v3(47.62,18.43) ; C100.1 31.8,38.45 v3(31.75,38.5) ; v3(30.55,7.81) 30.56,7.81 30.56,6.67 ; FB6.1 27,10.97 v3(27,10.97) ; U5.3 v3(12.79,25.28) ; U9.5 27.03,45.38 27.25,45.15 v3(27.25,44.75) ; J5.3 v2(10.54,59) ; 93.44,34.93 v3(93.49,34.98) ; J6.11 47.64,9.32 v3(47.63,9.31) ; U5.5 v3(13.29,26.68) ; v3(82.09,25.48) 82.09,25.48 U12.5 ; v3(7.5,26.12) 7.52,26.11 R46.2 ; v3(84.79,36.18) 84.84,36.13 C120.2 ; U9.3 v3(24.5,45.88) ; C151.2 75.64,27.23 v3(75.59,27.18) ; R68.1 v3(86.59,28.38) ; C10.2 v3(68.03,5.16) ; v3(81.29,27.78) 81.27,27.79 R84.2 ; C190.2 v3(25.66,18.88) ; v3(52.11,18.35) 52.11,18.35 IC3.2 ; J5.1 v2(10.04,58.63) ; C193.2 v3(30.54,19.75) ; C135.2 v3(99.59,36.68) ; v3(6.38,26.12) 6.36,26.11 C46.2 ; 70.24,24.63 v3(70.29,24.58) 70.29,25.06 70.02,25.33 U2.2 ; J6.2 52.14,9.32 v3(52.15,9.31) ; R36.2 v3(65.36,23.19)
  Top w0.25: 10.29,36.95 10.3,36.97 U4.3
  Top w0.3: C27.2 13.24,34.73 13.05,34.91 U4.9 ; R116.1 v3(2.04,20) ; C174.2 v3(2.04,21.13)
  Top w0.5: C33.2 v3(11.75,49.25)